# Altium PCB V5+_CORE_RC02.PcbDoc (part 1 of 3) (continued)
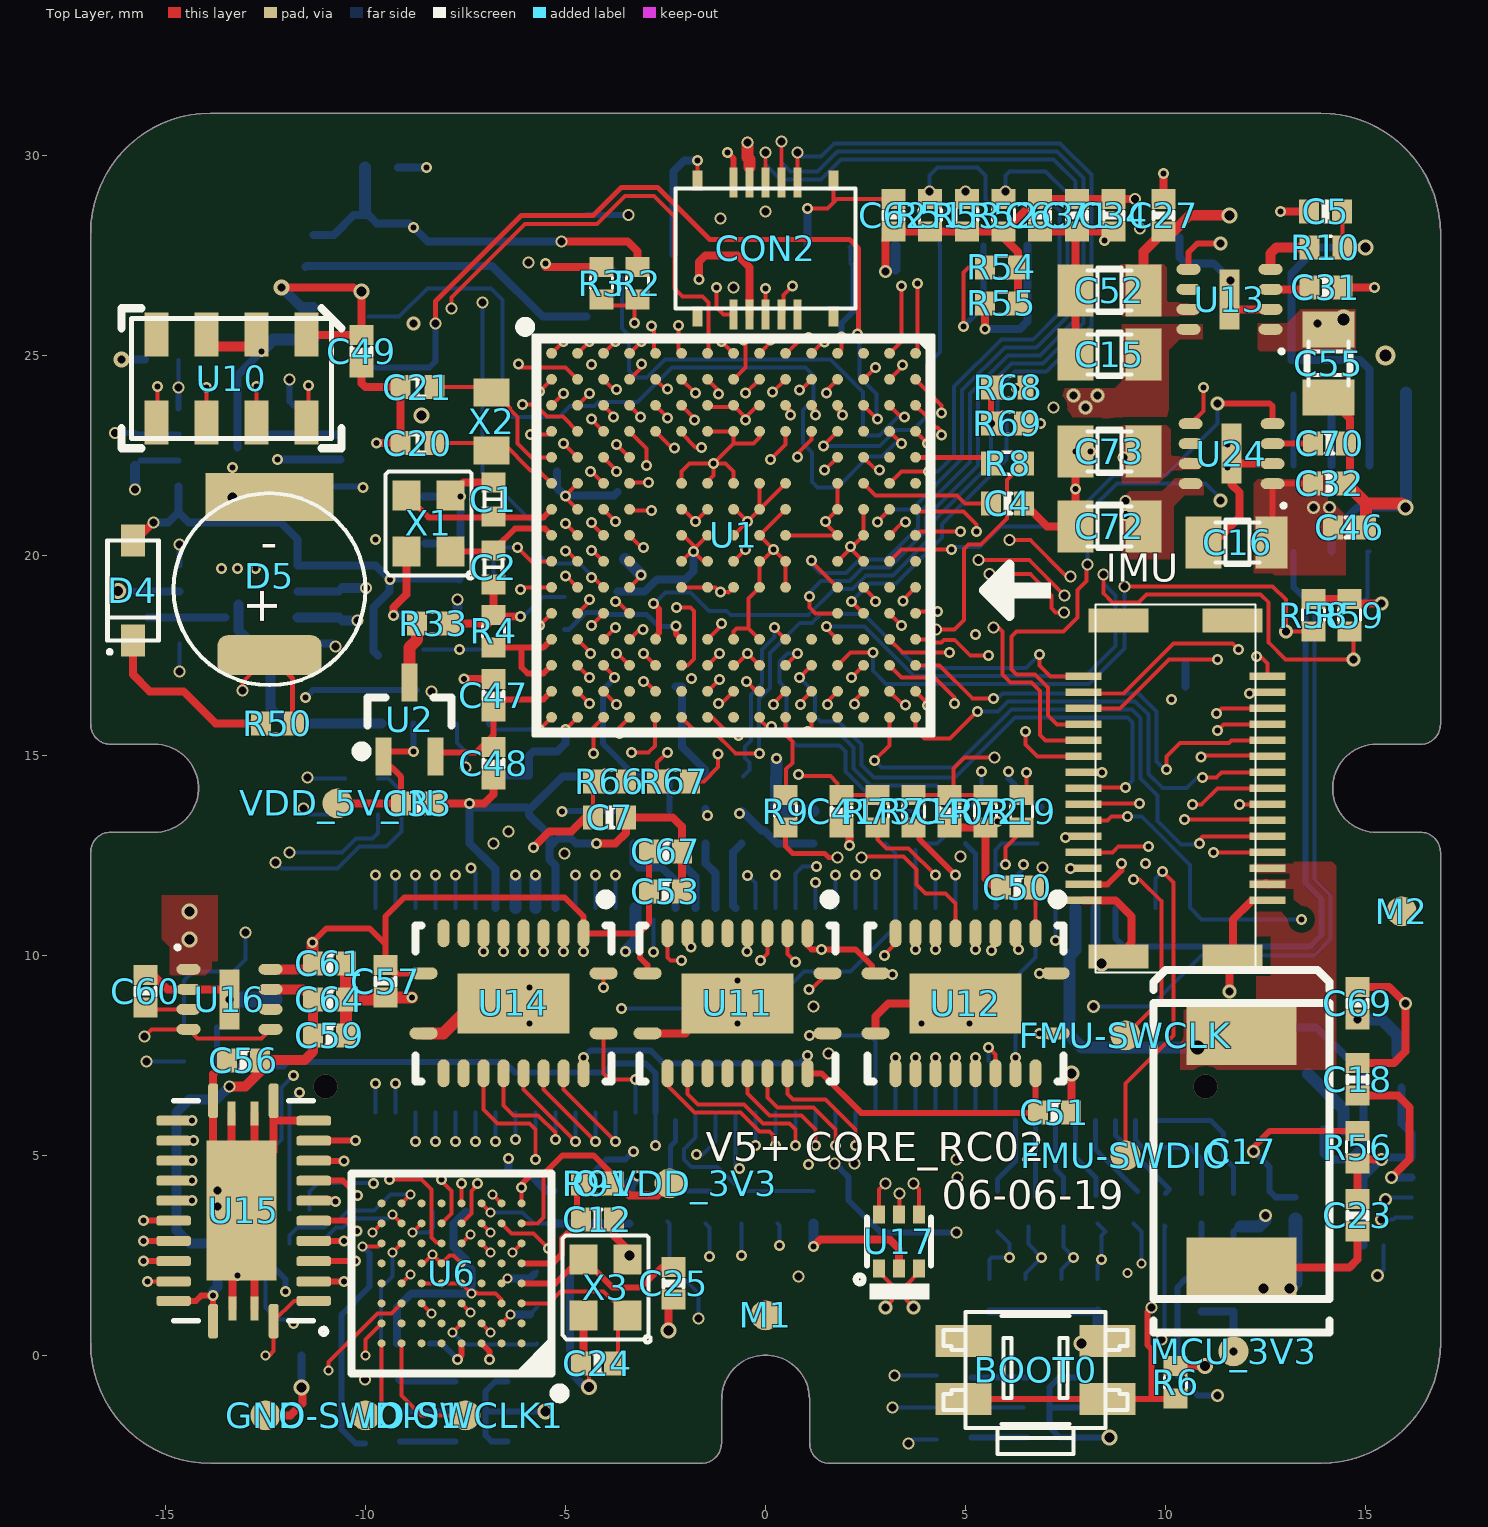
[diagram p0: Top Layer view]
## Footprints (in the part's own frame and the unit in brackets; to place one, negate y for a bottom-side part, rotate by r counter-clockwise, add the part's x,y. Pads: shape width x height; smd on the part's side, far side on the other; paste and mask are expansions set on the pad) (continued)
CUAV [mm]
DF17(1.0H)-80DP-0.5V(57) [mm] "DF17(1.0H)-80DP-0.5V(57)"
  rect 0.225x1.2 smd: 1(-9.746,2.562) 2(-9.246,2.562) 3(-8.746,2.562) 4(-8.246,2.562) 5(-7.746,2.562) 6(-7.246,2.562) 7(-6.746,2.562) 8(-6.246,2.562) 9(-5.746,2.562) 10(-5.246,2.562) 11(-4.746,2.562) 12(-4.246,2.562) 13(-3.746,2.562) 14(-3.246,2.562) 15(-2.746,2.562) 16(-2.246,2.562) 17(-1.746,2.562) 18(-1.246,2.562) 19(-0.746,2.562) 20(-0.246,2.562) 21(0.254,2.562) 22(0.754,2.562) 23(1.254,2.562) 24(1.754,2.562) 25(2.254,2.562) 26(2.754,2.562) 28(3.754,2.562) 29(4.254,2.562) 30(4.754,2.562) 31(5.254,2.562) 32(5.754,2.562) 33(6.254,2.562) 34(6.754,2.562) 35(7.254,2.562) 36(7.754,2.562) 37(8.254,2.562) 38(8.754,2.562) 39(9.254,2.562) 40(9.754,2.562) 41(9.75,-2.555) 42(9.25,-2.555) 43(8.75,-2.555) 44(8.25,-2.555) 45(7.75,-2.555) 46(7.25,-2.555) 47(6.75,-2.555) 48(6.25,-2.555) 49(5.75,-2.555) 50(5.25,-2.555) 51(4.75,-2.555) 52(4.25,-2.555) 53(3.75,-2.555) 54(3.25,-2.555) 55(2.75,-2.555) 56(2.25,-2.555) 57(1.75,-2.555) 58(1.25,-2.555) 59(0.75,-2.555) 60(0.25,-2.555) 61(-0.25,-2.555) 62(-0.75,-2.555) 63(-1.25,-2.555) 64(-1.75,-2.555) 65(-2.25,-2.555) 66(-2.75,-2.575) 67(-3.25,-2.575) 68(-3.75,-2.555) 69(-4.25,-2.555) 70(-4.75,-2.555) 71(-5.25,-2.555) 72(-5.75,-2.555) 73(-6.25,-2.555) 74(-6.75,-2.555) 75(-7.25,-2.555) 76(-7.75,-2.555) 77(-8.25,-2.555) 78(-8.75,-2.555) 79(-9.25,-2.555) 80(-9.75,-2.555)
  rect 0.225x1.25 smd: 27(3.254,2.562)
  rect 1.422x2.108 smd: PAD(-12,0) PAD(12,0)
  silkscreen extent -12.51,-2.4 12.52,2.41, body extent -12.51,-2.88 12.49,2.82, height 3.26
DF18B-30DS-0.4V [mm]
  rect 0.6x1.5 smd: 0(4.2,-1.43) 0(4.2,1.43) 1(-4.2,-1.43) 1(-4.2,1.43)
  rect 0.18x0.9 smd: 1(-2.8,-2.3) 2(-2.4,-2.3) 3(-2,-2.3) 4(-1.6,-2.3) 5(-1.2,-2.3) 6(-0.8,-2.3) 7(-0.4,-2.3) 8(0,-2.3) 9(0.4,-2.3) 10(0.8,-2.3) 11(1.2,-2.3) 12(1.6,-2.3) 13(2,-2.3) 14(2.4,-2.3) 15(2.8,-2.3) 16(2.8,2.3) 17(2.4,2.3) 18(2,2.3) 19(1.6,2.3) 20(1.2,2.3) 21(0.8,2.3) 22(0.4,2.3) 23(0,2.3) 24(-0.4,2.3) 25(-0.8,2.3) 26(-1.2,2.3) 27(-1.6,2.3) 28(-2,2.3) 29(-2.4,2.3) 30(-2.8,2.3)
  silkscreen extent -4.6,-2 4.6,2, body extent -4.6,-2.5 4.6,2.5, height 1.45
EVQ-P7J01P [mm]
  rect 1.4x0.8 smd: A1(-1.799,0.763) A2(1.801,0.763) B3(-1.799,-0.687) B3(1.801,-0.687)
  silkscreen extent -2.3,-2.06 2.3,1.49, body extent -2.35,-2.05 2.35,1.5, height 1.35
LGA16_4X4 [mm] "QFN, 16-Leads, Body 3.00x3.00mm, Pitch 0.50mm, IPC Medium Density"
  oval 0.6x0.25 smd: 1(-1.45,0.75) 2(-1.45,0.25) 3(-1.45,-0.25) 4(-1.45,-0.75) 9(1.45,-0.75) 10(1.45,-0.25) 11(1.45,0.25) 12(1.45,0.75)
  oval 0.25x0.6 smd: 5(-0.75,-1.45) 6(-0.25,-1.45) 7(0.25,-1.45) 8(0.75,-1.45) 13(0.75,1.45) 14(0.25,1.45) 15(-0.25,1.45) 16(-0.75,1.45)
  silkscreen extent -2.02,-1.65 1.65,2.02, body extent -1.6,-1.6 1.6,1.6, height 1
MARK#1 [mm]
  round 0.75 smd: 1(0,0)
MARK#2 [mm]
  round 1 smd: 1(0,0)
MARK#3 [mm]
  round 1 smd: 1(0.2,-0.7)
MLF8 [mm] "QFN, 8-Leads, Body 2.00x2.00mm, Pitch 0.50mm, Thermal Pad 0.50x1.00mm, IPC Medium Density"
  oval 0.6x0.275 smd: 1(-1.025,0.75) 2(-1.025,0.25) 3(-1.025,-0.25) 4(-1.025,-0.75) 5(1.025,-0.75) 6(1.025,-0.25) 7(1.025,0.25) 8(1.025,0.75)
  rect 0.5x1.5 smd: 2(0,0)
  silkscreen extent -1.35,1.25 -1.25,1.35, body extent -1.05,-1 1.05,1, height 0.85
ms5611 [mm]
  rect 0.6x1.1 smd: 1(1.925,1.125) 2(0.675,1.125) 3(-0.575,1.125) 4(-1.825,1.125) 5(-1.825,-1.075) 6(-0.575,-1.075) 7(0.675,-1.075) 8(1.925,-1.075)
  silkscreen extent -2.7,-1.73 2.8,1.77, body extent -2.47,-1.53 2.53,1.47, height 1
PAS414R-S-VE5R [mm]
  rrect50% 2.6x1 smd: 1(-0.1,-1.799)
  rect 3.2x1.2 smd: 2(-0.1,2.151)
  silkscreen extent -2.5,-2.55 2.3,2.25
QFN8_0.65#1 [mm]
  oval 0.65x0.3 smd: 1(-1.475,0.975) 2(-1.475,0.325) 3(-1.475,-0.325) 4(-1.475,-0.975) 5(1.475,-0.975) 6(1.475,-0.325) 7(1.475,0.325) 8(1.475,0.975)
  rect 1.25x2.1 smd: 2(0,0)
  silkscreen extent -2.23,-1.65 1.65,1.72, body extent -1.6,-1.5 1.6,1.5, height 0.63
QFN8_0.65#2 [mm]
  oval 0.65x0.3 smd: 1(-1.475,0.975) 2(-1.475,0.325) 3(-1.475,-0.325) 4(-1.475,-0.975) 5(1.475,-0.975) 6(1.475,-0.325) 7(1.475,0.325) 8(1.475,0.975)
  rect 1.25x2.3 smd: 2(0,0)
  silkscreen extent -2.22,-1.65 1.65,1.72, body extent -1.6,-1.5 1.6,1.5, height 0.63
QFN24-RGY [mm]
  rrect50% 0.864x0.25 smd mask+0.07: 1(-2.647,-0.804) 12(2.864,-0.804) 13(2.864,0.708) 24(-2.647,0.708)
  rrect50% 0.25x0.864 smd mask+0.07: 2(-2.139,-1.804) 3(-1.656,-1.804) 4(-1.148,-1.804) 5(-0.64,-1.804) 6(-0.136,-1.804) 7(0.364,-1.804) 8(0.864,-1.804) 9(1.364,-1.804) 10(1.864,-1.804) 11(2.364,-1.804) 14(2.364,1.699) 15(1.864,1.699) 16(1.364,1.699) 17(0.864,1.699) 18(0.364,1.699) 19(-0.136,1.699) 20(-0.64,1.699) 21(-1.148,1.699) 22(-1.656,1.699) 23(-2.139,1.699)
  rect 0.6x0.2 smd mask+0.07: 22(-2.325,-0.325) 22(-2.325,0.225) 22(2.55,-0.325) 22(2.55,0.25)
  rect 3.5x1.75 smd mask+0.07: 22(0.125,0)
  silkscreen extent -2.98,-2.13 2.86,1.7, body extent -2.65,-1.8 2.87,1.72, height 1
R0402#1 [mm]
  rect 0.5x0.6 smd: 1(-0.41,0) 2(0.41,0)
  silkscreen extent -0.13,-0.27 0.14,0.28, body extent -0.5,-0.25 0.5,0.25, height 0.3
R0402#2 [mm]
  rect 0.5x0.6 smd: 1(-0.41,0)
  rect 0.4x0.6 smd: 2(0.452,0)
  silkscreen extent -0.13,-0.27 0.14,0.28, body extent -0.5,-0.25 0.5,0.25, height 0.3
SC70 [mm]
  rect 0.95x0.4 smd: 1(-0.925,0.65) 2(-0.925,-0.65) 3(0.925,0)
  silkscreen extent -0.92,-1.05 0.55,1.32, body extent -1.15,-1.05 1.15,1.05, height 1.1
SC0402 [mm]
  rect 0.5x0.6 smd: 1(-0.425,-0.004) 2(0.425,-0.004)
  silkscreen extent -0.17,-0.23 0.18,0.23, body extent -0.5,-0.25 0.5,0.25, height 0.5
SO-8 [mm] "SOIC, 8-Leads, Body 4.90x4.00mm, Pitch 1.27mm, IPC Medium Density"
  rrect50% 1.25x0.6 smd: 1(-2.725,1.905) 2(-2.725,0.635) 3(-2.725,-0.635) 4(-2.725,-1.905) 5(2.725,-1.905) 6(2.725,-0.635) 7(2.725,0.635) 8(2.725,1.905)
  silkscreen extent -2.85,-2.5 1.6,2.93, body extent -3,-2.5 3,2.5, height 1.75
SOD323 [mm]
  rect 0.6x0.8 smd: A(-0.217,1.264) K(-0.217,-1.236)
  silkscreen extent -0.87,-1.56 0.43,1.26, body extent -0.87,-1.28 0.48,1.32, height 1.1
SOT563-6 [mm]
  rect 0.45x0.3 smd: 1(-0.635,0.459) 2(-0.635,-0.041) 3(-0.635,-0.541) 4(0.715,-0.541) 5(0.715,-0.041) 6(0.715,0.459)
  silkscreen extent -1,-0.84 0.64,1.05, body extent -0.76,-0.85 0.86,0.75, height 0.58
SOT-23-6 [mm] "SOT-23/SC-74A; 5 Leads; Body 3.1 x 3 mm, inc. leads (LxW max)"
  rect 0.55x1.45 smd: 1(0.95,1.075) 2(0,1.075) 3(-0.95,1.075) 4(-0.95,-1.075) 5(0,-1.075) 6(0.95,-1.075)
  silkscreen extent -1.55,-0.9 1.73,1.88, body extent -1.4,-1.19 1.4,1.23, height 1.08
TFBGA64 [mm] "BGA, 0-Leads, Body 5.00x5.00mmx0.60mm, Pitch 0.50mm"
  round 0.2 smd: A1(-1.75,1.75) A2(-1.25,1.75) A3(-0.75,1.75) A4(-0.25,1.75) A5(0.25,1.75) A6(0.75,1.75) A7(1.25,1.75) A8(1.75,1.75) B1(-1.75,1.25) B2(-1.25,1.25) B3(-0.75,1.25) B4(-0.25,1.25) B5(0.25,1.25) B6(0.75,1.25) B7(1.25,1.25) B8(1.75,1.25) C1(-1.75,0.75) C2(-1.25,0.75) C3(-0.75,0.75) C4(-0.25,0.75) C5(0.25,0.75) C6(0.75,0.75) C7(1.25,0.75) C8(1.75,0.75) D1(-1.75,0.25) D2(-1.25,0.25) D3(-0.75,0.25) D4(-0.25,0.25) D5(0.25,0.25) D6(0.75,0.25) D7(1.25,0.25) D8(1.75,0.25) E1(-1.75,-0.25) E2(-1.25,-0.25) E3(-0.75,-0.25) E4(-0.25,-0.25) E5(0.25,-0.25) E6(0.75,-0.25) E7(1.25,-0.25) E8(1.75,-0.25) F1(-1.75,-0.75) F2(-1.25,-0.75) F3(-0.75,-0.75) F4(-0.25,-0.75) F5(0.25,-0.75) F6(0.75,-0.75) F7(1.25,-0.75) F8(1.75,-0.75) G1(-1.75,-1.25) G2(-1.25,-1.25) G3(-0.75,-1.25) G4(-0.25,-1.25) G5(0.25,-1.25) G6(0.75,-1.25) G7(1.25,-1.25) G8(1.75,-1.25) H1(-1.75,-1.75) H2(-1.25,-1.75) H3(-0.75,-1.75) H4(-0.25,-1.75) H5(0.25,-1.75) H6(0.75,-1.75) H7(1.25,-1.75) H8(1.75,-1.75)
  silkscreen extent -2.83,-2.5 2.5,3.12, body extent -2.5,-2.5 2.5,2.5, height 0.6
TP0.75 [mm]
  round 0.75 smd: 0(0,0)
UFBGA176 [mm]
  round 0.27 smd: A1(-4.55,4.55) A2(-3.9,4.55) A3(-3.25,4.55) A4(-2.6,4.55) A5(-1.95,4.55) A6(-1.3,4.55) A7(-0.65,4.55) A8(0,4.55) A9(0.65,4.55) A10(1.3,4.55) A11(1.95,4.55) A12(2.6,4.55) A13(3.25,4.55) A14(3.9,4.55) A15(4.55,4.55) B1(-4.55,3.9) B2(-3.9,3.9) B3(-3.25,3.9) B4(-2.6,3.9) B5(-1.95,3.9) B6(-1.3,3.9) B7(-0.65,3.9) B8(0,3.9) B9(0.65,3.9) B10(1.3,3.9) B11(1.95,3.9) B12(2.6,3.9) B13(3.25,3.9) B14(3.9,3.9) B15(4.55,3.9) C1(-4.55,3.25) C2(-3.9,3.25) C3(-3.25,3.25) C4(-2.6,3.25) C5(-1.95,3.25) C6(-1.3,3.25) C7(-0.65,3.25) C8(0,3.25) C9(0.65,3.25) C10(1.3,3.25) C11(1.95,3.25) C12(2.6,3.25) C13(3.25,3.25) C14(3.9,3.25) C15(4.55,3.25) D1(-4.55,2.6) D2(-3.9,2.6) D3(-3.25,2.6) D4(-2.6,2.6) D5(-1.95,2.6) D6(-1.3,2.6) D7(-0.65,2.6) D8(0,2.6) D9(0.65,2.6) D10(1.3,2.6) D11(1.95,2.6) D12(2.6,2.6) D13(3.25,2.6) D14(3.9,2.6) D15(4.55,2.6) E1(-4.55,1.95) E2(-3.9,1.95) E3(-3.25,1.95) E4(-2.6,1.95) E12(2.6,1.95) E13(3.25,1.95) E14(3.9,1.95) E15(4.55,1.95) F1(-4.55,1.3) F2(-3.9,1.3) F3(-3.25,1.3) F4(-2.6,1.3) F6(-1.3,1.3) F7(-0.65,1.3) F8(0,1.3) F9(0.65,1.3) F10(1.3,1.3) F12(2.6,1.3) F13(3.25,1.3) F14(3.9,1.3) F15(4.55,1.3) G1(-4.55,0.65) G2(-3.9,0.65) G3(-3.25,0.65) G4(-2.6,0.65) G6(-1.3,0.65) G7(-0.65,0.65) G8(0,0.65) G9(0.65,0.65) G10(1.3,0.65) G12(2.6,0.65) G13(3.25,0.65) G14(3.9,0.65) G15(4.55,0.65) H1(-4.55,0) H2(-3.9,0) H3(-3.25,0) H4(-2.6,0) H6(-1.3,0) H7(-0.65,0) H8(0,0) H9(0.65,0) H10(1.3,0) H12(2.6,0) H13(3.25,0) H14(3.9,0) H15(4.55,0) J1(-4.55,-0.65) J2(-3.9,-0.65) J3(-3.25,-0.65) J4(-2.6,-0.65) J6(-1.3,-0.65) J7(-0.65,-0.65) J8(0,-0.65) J9(0.65,-0.65) J10(1.3,-0.65) J12(2.6,-0.65) J13(3.25,-0.65) J14(3.9,-0.65) J15(4.55,-0.65) K1(-4.55,-1.3) K2(-3.9,-1.3) K3(-3.25,-1.3) K4(-2.6,-1.3) K6(-1.3,-1.3) K7(-0.65,-1.3) K8(0,-1.3) K9(0.65,-1.3) K10(1.3,-1.3) K12(2.6,-1.3) K13(3.25,-1.3) K14(3.9,-1.3) K15(4.55,-1.3) L1(-4.55,-1.95) L2(-3.9,-1.95) L3(-3.25,-1.95) L4(-2.6,-1.95) L12(2.6,-1.95) L13(3.25,-1.95) L14(3.9,-1.95) L15(4.55,-1.95) M1(-4.55,-2.6) M2(-3.9,-2.6) M3(-3.25,-2.6) M4(-2.6,-2.6) M5(-1.95,-2.6) M6(-1.3,-2.6) M7(-0.65,-2.6) M8(0,-2.6) M9(0.65,-2.6) M10(1.3,-2.6) M11(1.95,-2.6) M12(2.6,-2.6) M13(3.25,-2.6) M14(3.9,-2.6) M15(4.55,-2.6) N1(-4.55,-3.25) N2(-3.9,-3.25) N3(-3.25,-3.25) N4(-2.6,-3.25) N5(-1.95,-3.25) N6(-1.3,-3.25) N7(-0.65,-3.25) N8(0,-3.25) N9(0.65,-3.25) N10(1.3,-3.25) N11(1.95,-3.25) N12(2.6,-3.25) N13(3.25,-3.25) N14(3.9,-3.25) N15(4.55,-3.25) P1(-4.55,-3.9) P2(-3.9,-3.9) P3(-3.25,-3.9) P4(-2.6,-3.9) P5(-1.95,-3.9) P6(-1.3,-3.9) P7(-0.65,-3.9) P8(0,-3.9) P9(0.65,-3.9) P10(1.3,-3.9) P11(1.95,-3.9) P12(2.6,-3.9) P13(3.25,-3.9) P14(3.9,-3.9) P15(4.55,-3.9) R1(-4.55,-4.55) R2(-3.9,-4.55) R3(-3.25,-4.55) R4(-2.6,-4.55) R5(-1.95,-4.55) R6(-1.3,-4.55) R7(-0.65,-4.55) R8(0,-4.55) R9(0.65,-4.55) R10(1.3,-4.55) R11(1.95,-4.55) R12(2.6,-4.55) R13(3.25,-4.55) R14(3.9,-4.55) R15(4.55,-4.55)
  silkscreen extent -5.33,-5 5,5.33, body extent -5,-5 5,5, height 0.6
VQFN20 [mm]
  oval 0.3x0.7 smd: 1(-0.75,2.25) 10(-0.75,-2.25) 11(0.75,-2.25) 20(0.75,2.25)
  oval 0.7x0.3 smd: 2(-1.75,1.75) 3(-1.75,1.25) 4(-1.75,0.75) 5(-1.75,0.25) 6(-1.75,-0.25) 7(-1.75,-0.75) 8(-1.75,-1.25) 9(-1.75,-1.75) 12(1.75,-1.75) 13(1.75,-1.25) 14(1.75,-0.75) 15(1.75,-0.25) 16(1.75,0.25) 17(1.75,0.75) 18(1.75,1.25) 19(1.75,1.75)
  rect 1.5x2.8 smd: 21(0,0)
  silkscreen extent -2.72,-2.45 1.95,2.45, body extent -1.9,-2.4 1.9,2.4, height 1

## Part data
C1: library part C, "0402 8PF NPO"
C2: library part C
C3 C4 C62: "0402 2.2UF 25V 10%"
C5 C6 C7 C8 C9 C10 C11 C12 C13 C18 C23 C26 C27 C29 C35 C36 C37 C38 C39 C40 C41 C42 C44 C45 C54 C65 C66: "50V 5%"
C14 C52: library part Cap, "0805 47uf 16v"
C15 C16 C55 C72 C73: library part Cap, "0805 47UF 16V"
C17: library part "Cap Pol1", "T520V476M016ATE"
C19: library part Cap, "0603 4.7UF 16V 10%"
C20: library part C, "0402 50V 5%"
C21: library part C, "0402 50V 5%  NPO"
C22: library part C1005X5R1H104K, "0402 100NF 50V 10%"
C24 C25 C28 C43: library part 0402C100NF, "50V 5%"
C30 C31 C32 C33 C34 C57 C58 C59 C60 C69 C70 C71: library part Cap, "0402 100NF 50V 10%"
C46 C48: library part 0402C2.2UF, "0402 100NF 50V 10%"
C47: "0402 2.2UF  16V 10%"
C49: "0402 100NF 10% 50V"
C50 C51 C53 C56 C67: library part Cap, "0402 100nf 50V 10%"
C61 C64: library part Cap
C63: "0402 100NF 50V 5%"
D4: library part STPS20M100SG-TR, "STPS20M100SG-TR"
D5: library part PWR1-2_1
FMU-SWCLK FMU-SWDIO GND IO-SWCLK1 IO-SWDIO1 IO-VDD_3V3 VDD_5V_IN: "TP_0.75MM"
L1: library part L_0
MCU_3V3: library part TP_0.75, "TP_0.75MM"
R1 R18: library part 0402R4.7K, "0402R4.7K 1%"
R2 R7 R33: library part 0402R0R, "0402R0R 1%"
R3 R5 R6: library part 0402R0R, "0402R10K 1%"
R4: "0402R0R 1%"
R8 R56 R80 R83 R90 R91: library part 0402R1K, "0402R10K 1%"
R9 R89: library part 0402R1K, "0402R100R 1%"
R10: library part 0402R10K, "0402R10K 1%"
R11 R12 R17: library part Res2, "0402 220R 1%"
R13 R14 R63 R64: library part 0402R10K, "0402R2M 1%"
R15 R16 R24 R25 R26 R28 R29 R30 R37 R39 R43 R44 R47 R48 R58 R59: library part 0402R10K, "0402R2.2K 1%"
R19 R81 R82 R84: library part 0402R1K, "0402R220R 1%"
R20 R21 R22 R23: "0402R1K 1%"
R27 R65: library part 0402R100R, "0402R100R 1%"
R31 R32: library part Res2, "0402R100K 1%"
R34 R35 R36 R78: library part 0402R100R, "0402R10K 1%"
R38 R49 R99: library part Res2, "0402 1K 1%"
R40 R41 R42: library part 0402R100R, "0402 1K 1%"
R45 R46: library part Res2, "0402 100K 1%"
R50: library part R, "0402 220R 1%"
R51 R52 R53 R54 R55: library part RC0402FR-0749R9L
R66: library part Res2, "0402R442K 1%"
R67 R68 R69: library part Res2
R70 R93: library part Res2, "0402 10K 1%"
R71: library part Res2, "0402R10.K 1%"
R72 R73: library part Res2, "0402R10K 1%"
R75: library part RMCF0402FT4K99, "0402 10K 1%"
R76: library part "Res Semi", "0402 50K 1%"
R92: library part Res2, "0402 20K 1%"
R95 R96 R97: library part 0402R1K, "0402R1K 1%"
U2: library part REF3333AIDCKT
U3: library part Component_1
U13 U16 U24: library part MIC5530
X1: library part X_B, "16M 8PF 10PPM 8PF"
X2: library part X_0
X3: library part NX3225SA-24.000MHZ-STD-CSR-1, "XRCGB24M000F3A00R0  6PF"

## Free pads (board coordinates)
  round 4 on Bottom Overlay: 0(-14.25,-0.075) 0(-14.25,28.425) 0(14.25,-0.075) 0(14.25,28.425)

## Via types
v1: diameter 0.275, hole 0.15, Top Layer to Bottom Layer, tented both sides, 374 vias
v2: diameter 0.3, hole 0.2, Top Layer to Bottom Layer, tented both sides, 85 vias
v3: diameter 0.25, hole 0.15, Top Layer to Bottom Layer, tented both sides, 26 vias
v4: diameter 0.325, hole 0.2, Top Layer to Bottom Layer, tented both sides, 15 vias
v5: diameter 0.35, hole 0.2, Top Layer to Bottom Layer, tented both sides, 15 vias
v6: diameter 0.4, hole 0.25, Top Layer to Bottom Layer, tented both sides, 14 vias
v7: diameter 0.4, hole 0.25, Top Layer to Bottom Layer, tented bottom, 7 vias
v8: diameter 0.4, hole 0.2, Top Layer to Bottom Layer, tented both sides, 2 vias
v9: diameter 0.5, hole 0.3, Top Layer to Bottom Layer, tented both sides, 2 vias
v10: diameter 0.6, hole 0.6, Top Layer to Bottom Layer, tented both sides, 2 vias
v11: diameter 0.55, hole 0.35, Top Layer to Bottom Layer, tented both sides, 1 vias

## Nets (pads, with @x,y where several pads share a name; then routed paths per layer and width w, separated by ;. In a path a pad name is that pad's centre, name@x,y a point inside that pad or via, vN(x,y) a via of type N, cw(c..) or ccw(c..) an arc to the next point about the centre after c; other vN are vias at no path point)
ADC1_SPARE_1: C41.1 R73.1 U1.N5 | length 9.3
  Top Layer w0.1: v1(-3.05,17.55) U1.N5@-2.75,17.25 ; v1@0.827,14.479 1.62,14.479 1.8,14.3 1.8,14.11 C41.1@1.9,14.01 R73.1@2.8,14.01
  S1 w0.1: v1(-3.05,17.55) -2.5,17.55 -2.388,17.437 -2.388,15.904 -2.088,15.604 -2.088,14.979 -1.333,14.225 0.525,14.225 0.822,14.522 v1(0.827,14.522)
ADC1_SPARE_1_3.3V: CON1.12 R73.2 | length 2.8
  Top Layer w0.1: R73.2@2.8,13.19 2.8,12.9 3.025,12.675 3.578,12.675 v1(4.246,12.007)
  Bottom Layer w0.1: CON1.12@4.246,11.186 v1@4.246,11.907
ADC1_SPARE_2: C40.1 R71.1 R72.2 U1.N4 | length 15.4
  Top Layer w0.1: v1@-3.7,17.55 U1.N4@-3.4,17.25 ; R71.1@3.8,14.01 C40.1@4.7,14.01 ; R72.2@5.6,14.01 C40.1@4.7,14.01 ; v2(5.725,14.95) 4.975,14.95 4.7,14.675 C40.1@4.7,14.01
  POWER w0.1: v1(-3.725,17.55) -3.388,17.212 -2.912,17.212 -2.4,16.7 -2.117,16.7 -1.513,16.096 -1.513,15.844 -0.832,15.163 -0.832,15.019 -0.55,14.737 -0.315,14.737 -0.103,14.525 0.352,14.525 0.612,14.785 0.827,15 1.6,15 1.925,15.325 5.35,15.325 v2(5.725,14.95)
ADC1_SPARE_2_6.6V: CON1.11 R71.2 | length 2.1
  Top Layer w0.15: R71.2@3.85,13.05 3.85,12.903 v1(4.746,12.007)
  Bottom Layer w0.1: CON1.11@4.746,11.186 v1@4.746,11.907
AVDD: C13.2 R7.1 U1.R1 | length 2.4
  Top Layer w0.1: v1(-5.65,15.65) U1.R1@-5.35,15.95
  Bottom Layer w0.1: R7.1@-6.74,15.65 v1(-5.65,15.65)
  Bottom Layer w0.2: R7.1@-6.89,15.8 C13.2@-6.89,16.7
BAT1_I: C37.2 R13.1 R23.2 U1.N2 | length 7.2
  Top Layer w0.1: U1.N2@-4.7,17.25 v1(-4.4,16.95)
  S1 w0.2: v1(-5.09,13.6) -5.09,14.04 -6.05,15 -6.05,16.325 -5.425,16.95 v1(-4.4,16.95)
  Bottom Layer w0.15: v1(-5.09,13.6) -5.08,13.61 R13.1@-4.2,13.61 R23.2@-3.3,13.61
BAT1_I_IN: CON1.25 R23.1 | length 2.4
  Bottom Layer w0.2: R23.1@-3.3,12.79 -3.3,12.325 -3.175,12.2 -2.6,12.2 -2.254,11.853 CON1.25@-2.254,11.186
BAT1_V: C35.2 R14.1 R21.2 U1.N3 | length 5
  Top Layer w0.1: U1.N3@-4.05,17.25 v1@-3.75,16.95
  Bottom Layer w0.15: v1@-3.75,16.95 -4.063,16.637 -4.063,15.29 -3.265,14.492 C35.2@-3.265,14.475 ; C35.2@-3.19,14.5 -2.49,14.5 -2.4,14.41 R21.2@-2.4,13.61
  other v1: -3.775,16.95
BAT1_V_IN: CON1.24 R21.1 | length 1.9
  Bottom Layer w0.2: R21.1@-2.4,12.79 -2.4,12.6 -1.754,11.953 CON1.24@-1.754,11.186
BAT2_I: C36.2 R22.2 R63.1 U1.R2 | length 8.3
  Top Layer w0.1: v1(-5,15.65) U1.R2@-4.7,15.95
  S1 w0.2: v1(-5,15.65) -5,14.825 -3.925,13.75 -1.55,13.75 -1.45,13.65 v1(-1.45,13.5)
  Bottom Layer w0.2: C36.2@-6.8,14.51 -6.79,14.5 R63.1@-5.91,14.5 -5.91,14.99 -5.8,15.1 -5.2,15.1 -5,15.3 v1(-5,15.65) ; R22.2@-1.5,13.61 R22.2@-1.5,13.657
BAT2_I_IN: CON1.23 R22.1 | length 1.7
  Bottom Layer w0.2: R22.1@-1.5,12.79 -1.5,12.3 -1.254,12.053 CON1.23@-1.254,11.186
BAT2_V: C29.2 R20.2 R64.1 U1.P2 | length 8.7
  Top Layer w0.1: U1.P2@-4.7,16.6 v1(-4.4,16.3)
  S1 w0.1: v1(-4.4,16.3) -4.663,16.037 -4.663,14.916 -3.747,14 -1.05,14 -0.65,13.6 v1(-0.65,13.55)
  Bottom Layer w0.2: v1(-0.65,13.55) -0.65,13.56 R20.2@-0.6,13.61 -0.588,13.61 -0.1,13.122 -0.033,13.122 C29.2@0.3,12.79 R64.1@1.2,12.79
BAT2_V_IN: CON1.22 R20.1 | length 1.7
  Bottom Layer w0.2: CON1.22@-0.754,11.186 -0.813,11.245 -0.813,12.577 R20.1@-0.6,12.79
BOOT0: BOOT0.B3 R6.2 U1.D6 | length 55.8
  Top Layer w0.1: U1.D6@-2.1,23.1 -2.1,23.052 -1.748,22.7 v1(-1.6,22.7)
  Top Layer w0.15: BOOT0.B3@4.95,-1.088 BOOT0.B3@8.55,-1.088 9.65,-1.088 R6.2@10.247,-1.088 ; 9.65,-1.087 9.65,0.155 9.55,0.255 9.55,1.1 v2(9.65,1.2)
  S1 w0.1: v2(-0.8,26.7) -0.8,26.851 -0.352,27.3 1.834,27.3 2.409,27.875 6.617,27.875 7.267,27.225 9.452,27.225 11.34,25.337 11.707,25.337 12.938,24.107 12.938,19.281 13.838,18.381 13.838,15.831 13.388,15.381 13.388,11.372 11.915,9.9 10.334,9.9 9.888,9.453 9.888,2.838 10.125,2.6 10.125,2 ; v2@9.697,1.125 9.797,1.225 9.797,1.581 10.125,1.909 10.125,1.999
  S2 w0.1: v1(-1.6,22.7) -1.5,22.8 -0.599,22.8 -0.163,23.236 -0.163,25.186 -0.213,25.236 -0.213,26.112 v2(-0.8,26.7)
BOOT1: R70.1 U1.M6 | length 3.6
  Top Layer w0.15: v1(-2.242,18.237) -2.242,18.041 U1.M6@-2.1,17.9
  Bottom Layer w0.125: R70.1@-5.025,18.14 -4.92,18.14 -4.485,18.575 -4.216,18.575 -4.166,18.525 -2.985,18.525 -2.935,18.475 -2.928,18.475 -2.675,18.222 -2.352,18.222 -2.304,18.175 v1(-2.242,18.237) v1@-2.238,18.237
BUZZER_1: CON1.8 U1.B2 | length 34.1
  Top Layer w0.1: v1@-6.1,24.7 -5,24.7 U1.B2@-4.7,24.4
  S1 w0.1: v1(-6.176,24.776) -6.176,27.074 v2(-5.925,27.325) ; v1(6.45,12.275) 6.45,12.95 7.7,14.2 7.7,17.843 7.267,18.276 7.05,18.493 7.05,20.823 6.37,21.503 6.37,22.237 7.225,23.092 v2@7.225,23.7
  S2 w0.1: v2(-5.925,27.325) -5.925,27.825 -5.55,28.2 -4.955,28.2 -4.787,28.031 1.452,28.031 3.487,25.996 3.487,25.596 5.246,23.837 6.563,23.837 6.7,23.7 v2(7.2,23.7)
  Bottom Layer w0.1: CON1.8@6.246,11.186 6.246,11.971 6.45,12.175 v1(6.45,12.275)
CAD1: R56.2 U4.6 | length 4.7
  Top Layer w0.154: v4(12.2,5.1) 12.2,5.2 12.61,5.61 R56.2@14.8,5.61
  Bottom Layer w0.154: v4(12.2,5.1) 12.6,4.7 12.6,4.1 12.75,3.95 U4.6@13.25,3.95
CAN1_RX: U1.D3 U8.4 | length 8.5
  Top Layer w0.1: v1(-4.351,23.401) U1.D3@-4.05,23.1
  S2 w0.1: v1(-10.063,21.7) -10.038,21.725 -8.416,21.725 -8.363,21.778 -8.363,21.78 -7.568,22.575 -5.766,22.575 -4.94,23.401 v1(-4.351,23.401)
  Bottom Layer w0.1: v1@-10.088,21.725 v1(-10.063,21.7)
  Bottom Layer w0.15: U8.4@-11.725,21.725 v1@-10.088,21.725
CAN1_TX: U1.E12 U8.1 | length 21.7
  Top Layer w0.1: v1(1.475,22.126) U1.E12@1.8,22.45
  S2 w0.1: v2(-11.9,24.4) -11.875,24.4 -11.45,24.825 -7.508,24.825 -6.033,26.3 -4.208,26.3 -3.277,27.231 1.121,27.231 2.65,25.702 2.65,25.36 2.212,24.922 2.212,24.477 2.262,24.427 2.262,22.913 v1(1.475,22.126)
  Bottom Layer w0.1: U8.1@-11.8,23.75 U8.1@-11.725,23.675
  Bottom Layer w0.15: v2(-11.9,24.4) -11.9,23.849 U8.1@-11.8,23.75
CAN2_RX/UART5_RX_ESC: U1.P12 U9.4 | length 36.7
  Top Layer w0.1: v1@1.5,16.3 U1.P12@1.8,16.6
  S2 w0.1: v2(-14.65,20.275) -14.75,20.375 -14.75,22.807 -15.538,23.595 -15.538,24.445 -14.383,25.6 -11.583,25.6 -11.007,25.025 -7.591,25.025 -6.116,26.5 -4.291,26.5 -3.36,27.431 1.203,27.431 2.85,25.785 2.85,25.277 2.412,24.839 2.412,24.56 2.462,24.51 2.462,22.787 1.985,22.31 1.985,20.845 1.575,20.435 1.575,18.652 1.987,18.239 1.987,17.911 1.55,17.473 v1(1.55,16.275)
  Bottom Layer w0.15: U9.4@-14.65,19.75 v2(-14.65,20.275)
CAN2_TX/UART5_TX_ESC: U1.P13 U9.1 | length 41.2
  Top Layer w0.1: v1(2.225,16.287) 2.212,16.287 2.175,16.325 U1.P13@2.45,16.6
  S2 w0.1: v2(-14.65,17.1) -14.65,19.419 -15,19.769 -15,20.42 -14.95,20.47 -14.95,22.725 -15.738,23.512 -15.738,24.528 -14.466,25.8 -11.5,25.8 -10.925,25.225 -7.674,25.225 -6.199,26.7 -4.374,26.7 -3.443,27.631 1.286,27.631 3.087,25.83 3.087,23.591 3.137,23.541 3.137,23.015 2.827,22.704 2.662,22.704 2.185,22.227 2.185,20.762 1.775,20.352 1.775,18.735 2.187,18.322 2.187,17.828 1.75,17.39 1.75,16.65 2.112,16.287 v1(2.225,16.287)
  Bottom Layer w0.1: v2(-14.65,17.1) U9.1@-14.65,17.8
CAN3_RX: U1.F15
CAN3_TX: U1.A13
CAN_H_1: CON1.19 R45.1 U8.7 | length 33.4
  S1 w0.1: v2(-16.268,23.057) -15.558,23.057 -15.4,22.9 -15.4,21.492 -15.8,21.092 -15.8,20.582 -15,19.782 -15,18.082 -14.593,17.675 -11.5,17.675 -10.825,17 -10.825,13.532 -11.35,13.008 -11.35,11.429 -10.391,10.469 -7.966,10.469 -7.366,11.069 -3.648,11.069 -3.293,11.425 0.141,11.425 0.942,12.225 v1(1.275,12.225)
  Bottom Layer w0.1: CON1.19@0.746,11.186 0.746,12.046 0.925,12.225 v1(1.275,12.225)
  Bottom Layer w0.15: v2(-16.268,23.057) R45.1@-15.761,23.057 ; R45.1@-15.728,23.025 U8.7@-14.675,23.025
CAN_H_2: CON1.21 R46.1 U9.7 | length 20.8
  S1 w0.1: v2(-10.2,18.365) -10,18.165 -10,17.642 -10.425,17.217 -10.425,13.357 -10.95,12.832 -10.95,11.594 -10.225,10.869 -8.131,10.869 -7.531,11.469 -3.814,11.469 -3.459,11.825 -0.626,11.825 v1(-0.45,12)
  Bottom Layer w0.1: v1(-0.45,12) -0.254,11.804 CON1.21@-0.254,11.186
  Bottom Layer w0.25: U9.7@-11.7,18.45 R46.1@-10.66,18.45 ; R46.1@-10.575,18.365 v2(-10.2,18.365)
CAN_L_1: CON1.18 R45.2 U8.6 | length 30.6
  S1 w0.1: v2(-15.761,21.647) -15.761,21.414 -16,21.175 -16,20.5 -15.2,19.7 -15.2,18 -14.675,17.475 -11.583,17.475 -11.025,16.917 -11.025,13.615 -11.55,13.09 -11.55,11.346 -10.474,10.269 -7.883,10.269 -7.283,10.869 -3.566,10.869 -3.227,11.208 0.207,11.208 0.624,11.625 1.05,11.625 v1(1.25,11.825)
  Bottom Layer w0.1: CON1.18@1.246,11.186 1.25,11.19 v1(1.25,11.825)
  Bottom Layer w0.15: R45.2@-15.624,22.375 U8.6@-14.675,22.375
  Bottom Layer w0.25: v2(-15.761,21.647) R45.2@-15.761,22.237
CAN_L_2: CON1.20 R46.2 U9.6 | length 23
  S1 w0.1: v2(-9.985,19.185) -10.55,18.62 -10.55,18.22 -10.35,18.02 -10.35,17.575 -10.625,17.3 -10.625,13.45 -11.15,12.925 -11.15,11.512 -10.308,10.669 -8.048,10.669 -7.448,11.269 -3.731,11.269 -3.376,11.625 -0.159,11.625 0.223,12.007 v1(0.246,12.007)
  Bottom Layer w0.1: CON1.20@0.246,11.186 v1@0.246,11.907
  Bottom Layer w0.2: U9.6@-11.7,19.1 R46.2@-10.66,19.1
  Bottom Layer w0.25: R46.2@-10.575,19.185 v2(-9.985,19.185)
DEBUG_RX: CON1.6 U12.20 | length 3.6
  Top Layer w0.1: v1(6.85,8.05) U12.20@7.25,8.05
  S1 w0.1: v1(6.85,8.05) 7.246,8.446 v1(7.246,10.366)
  Bottom Layer w0.1: v1@7.246,10.466 CON1.6@7.246,11.186
DEBUG_TX: CON1.7 U12.18 | length 4.3
  Top Layer w0.1: U12.18@6.25,7.05 v1(6.25,7.45)
  Bottom Layer w0.1: v1(6.25,7.45) 6.25,9.45 6.746,9.946 CON1.7@6.746,11.186
DRDY8: U1.R8
DSM&SBUS_IN: CON1.56 R12.2 R17.2 | length 2.7
  Bottom Layer w0.125: CON1.56@-2.25,5.87 -2.25,5.35 -2.375,5.225 -2.375,4.285 -2.2,4.11 R17.2@-1.4,4.11
FMU_CAP1: U1.P4
FMU_CAP2: U1.A10 | length 0.7
  Top Layer w0.1: U1.A10@0.5,25.05 0.511,25.038 0.92,25.447 v1(1.068,25.447)
FMU_CAP3: U1.R13
FMU_CH1: U1.P11 U14.1 | length 18.6
  Top Layer w0.1: v1(-4.05,9.2) U14.1@-4.05,9.55 ; v1@0.85,16.3 U1.P11@1.15,16.6
  S1 w0.1: v1(-4.05,9.2) -3,9.2 -2.5,8.7 0.3,8.7 0.625,8.375 1.425,8.375 1.575,8.225 v2(1.575,7.55)
  S2 w0.1: v1(0.875,16.275) 1.45,15.7 2.592,15.7 3.087,15.204 3.087,11.885 2.889,11.687 2.539,11.687 1.75,10.898 1.75,7.725 v2(1.575,7.55)
FMU_CH1-PROT: CON1.54 U14.20 | length 2.6
  Top Layer w0.1: U14.20@-4.05,8.05 -4.05,7.05 -3.891,6.891 v1(-3.25,6.891)
  Bottom Layer w0.1: CON1.54@-3.25,6.07 v1@-3.25,6.791
FMU_CH2: U1.D15 U14.3 | length 39.7
  Top Layer w0.1: U1.D15@3.75,23.1 v1(4.05,22.8)
  S1 w0.1: v1(-5.05,10.1) -5.025,10.075 -5.025,6.95 -4.425,6.35 4.725,6.35 5.325,5.75 5.325,4.35 5,4.025 4.475,4.025 4.325,4.175 4.325,4.675 4.075,4.925 2.875,4.925 2.75,4.8 v2(2.225,4.8)
  S2 w0.1: v2(2.225,4.8) 2.277,4.8 2.587,5.11 2.587,6.637 2.15,7.075 2.15,10.732 2.704,11.287 3.055,11.287 3.487,11.719 3.487,15.437 3,15.925 3,17.127 3.224,17.352 3.224,17.797 3,18.022 3,18.525 3.1,18.625 3.1,20.648 3.137,20.686 3.137,21.64 4.05,22.552 v1(4.05,22.8)
FMU_CH2-PROT: CON1.53 U14.18 | length 3
  Top Layer w0.1: U14.18@-5.05,7.05 -5.05,6.65 v1(-3.75,5.35)
  Bottom Layer w0.1: v1(-3.75,5.35) CON1.53@-3.75,6.07
FMU_CH3: U1.P10 U14.4 | length 20.2
  Top Layer w0.1: v1(-5.55,10.1) U14.4@-5.55,10.55 ; v1@0.175,16.275 U1.P10@0.5,16.6
  S1 w0.1: v1(-5.55,10.1) -5.05,10.6 1.904,10.6 2.175,10.329 2.175,8.975 1.925,8.725 v2(1.2,8.725)
  S2 w0.1: v1(0.2,16.275) 0.337,16.138 0.337,16.015 0.487,15.865 0.487,15.46 0.481,15.454 0.481,15.195 0.612,15.064 0.612,14.785 0.481,14.654 0.481,12.249 0.662,12.068 0.662,10.512 0.412,10.262 0.412,9.694 0.61,9.496 1.2,9.496 1.217,9.479 1.223,9.479 1.42,9.282 1.42,9.002 1.223,8.804 1.2,8.804 v2(1.2,8.725)
FMU_CH3-PROT: CON1.52 U14.17 | length 3
  Top Layer w0.1: U14.17@-5.55,7.05 -5.55,6.65 v1(-4.25,5.35)
  Bottom Layer w0.1: v1(-4.25,5.35) CON1.52@-4.25,6.07
FMU_CH4: U1.P9 U14.5 | length 16.3
  Top Layer w0.1: v1(-6.05,10.1) U14.5@-6.05,10.55 ; v1(-0.475,16.85) -0.225,16.6 U1.P9@-0.15,16.6
  S1 w0.1: v2(-5.025,12.55) -5.025,12.775 -4.5,13.3 -2.283,13.3 -1.783,12.8 -0.166,12.8 0.634,13.6 1.089,13.6 1.768,14.278 1.768,14.815 1.523,15.06 0.805,15.06 0.477,15.388 -0.036,15.388 -0.225,15.577 -0.225,16.6 v1(-0.475,16.85)
  S2 w0.1: v1(-6.05,10.1) -6.05,10.9 -5.875,11.075 -5.4,11.075 -5.225,11.25 -5.225,12.35 v2(-5.025,12.55)
FMU_CH4-PROT: CON1.51 U14.16 | length 3
  Top Layer w0.1: U14.16@-6.05,7.05 -6.05,6.65 v1(-4.75,5.35)
  Bottom Layer w0.1: v1(-4.75,5.35) CON1.51@-4.75,6.07
FMU_CH5: U1.M15 U14.6 | length 38.1
  Top Layer w0.1: v1(-6.55,10.1) U14.6@-6.55,10.55 ; U1.M15@3.751,17.901 4.052,17.901 4.128,17.825 4.397,17.825 4.46,17.888 4.729,17.888 5.118,17.5 v1(5.575,17.5)
  S1 w0.1: v1(-6.55,10.1) -6.55,7.05 -5.65,6.15 4.407,6.15 4.975,5.582 4.975,5.195 5.125,5.045 5.125,4.755 4.82,4.45 v2(4.8,4.45)
  S2 w0.1: v2(4.8,4.45) 5.025,4.45 5.2,4.625 7.907,4.625 9,5.717 9,8.934 9.7,9.634 9.7,10.2 8.4,11.5 8.4,12.517 8.3,12.617 8.3,13.317 7.7,13.917 7.7,16.4 7.1,17 6.7,17 6.2,17.5 v1(5.575,17.5)
FMU_CH5-PROT: CON1.50 U14.15 | length 3.3
  Top Layer w0.1: U14.15@-6.55,7.05 -6.55,6.25 -6.3,6 -5.683,6 -5.25,5.567 v1@-5.25,5.35
  Bottom Layer w0.1: v1@-5.25,5.35 CON1.50@-5.25,6.07
  other v1: -5.25,5.4
FMU_CH6: U1.M14 U14.7 | length 37.6
  Top Layer w0.1: v1(-7.05,10.1) U14.7@-7.05,10.55 ; U1.M14@3.1,17.9 3.424,17.576 v1(4.6,17.576)
  S1 w0.1: v1(-7.05,10.1) -6.8,9.85 -6.8,7.017 -5.733,5.95 4.325,5.95 4.775,5.5 v2(4.775,4.9)
  S2 w0.1: v1(4.6,17.576) 5.075,17.1 6.2,17.1 6.5,16.8 7.017,16.8 7.5,16.317 7.5,13.834 8.1,13.234 8.1,12.534 8.2,12.434 8.2,12.183 8.2,11.417 9.5,10.117 9.5,9.717 8.8,9.017 8.8,5.8 7.825,4.825 4.85,4.825 v2(4.775,4.9)
FMU_CH6-PROT: CON1.49 U14.14 | length 4.1
  Top Layer w0.1: U14.14@-7.05,7.05 -7.05,6.15 -6.7,5.8 -5.9,5.8 -5.75,5.65 v1@-5.75,5
  Bottom Layer w0.1: v1@-5.75,5 CON1.49@-5.75,6.07
  other v1: -5.75,4.9
FMU_CH7: U1.M11
FMU_CH8: U1.M13
FMU_OSC32_IN: C21.1 U1.E1 X2.1 | length 4.1
  Top Layer w0.1: C21.1@-8.275,24.204 -6.905,24.204 -6.388,23.687 -6.388,23.645 -6.2,23.458 -6.2,22.8 -5.85,22.45 U1.E1@-5.35,22.45
FMU_OSC32_OUT: C20.1 U1.F1 X2.2 | length 3.3
  Top Layer w0.1: C20.1@-8.275,22.804 -6.555,22.804 -5.875,22.125 -5.675,22.125 U1.F1@-5.35,21.8
FMU_OSC_IN: C1.2 U1.G1 X1.3 | length 3.9
  Top Layer w0.15: X1.3@-8.975,21.5 -8.425,20.95 -5.55,20.95 U1.G1@-5.35,21.15
FMU_OSC_OUT: C2.2 U1.H1 X1.1 | length 2.8
  Top Layer w0.15: X1.1@-7.875,20.1 C2.2@-6.757,20.1 ; C2.2@-6.757,20.172 -6.265,20.664 -5.515,20.664 U1.H1@-5.35,20.5
FMU_PPM_INPUT: R11.1 U1.C4 | length 24.9
  Top Layer w0.1: U1.C4@-3.4,23.75 -3.126,23.475 v1(-3.126,23.451)
  S2 w0.1: v2(-13,10.575) -13,13.425 -12.4,14.025 -11.38,14.025 -11.1,14.305 -11.1,14.595 -11.25,14.745 -11.25,15.94 -10.963,16.227 -10.963,17.159 -11.3,17.497 -11.3,19.61 -9.585,21.325 -8.25,21.325 -7.963,21.612 -7.963,21.614 -7.765,21.812 -7.763,21.812 -7.4,22.175 -4.804,22.175 -4.542,22.437 -3.548,22.437 -3.32,22.665 -3.32,22.888 -3.126,23.082 v1(-3.126,23.451)
  Bottom Layer w0.1: R11.1@-14.535,8.2 -14.535,9.365 -14.3,9.6 -13.3,9.6 -13,9.9 v2(-13,10.575)
FMU_RESET: CON1.3 U5.3 | length 16
  Bottom Layer w0.15: CON1.3@8.746,11.186 8.746,10.428 8.95,10.225 13.625,10.225 13.9,10.5 13.9,11.4 13.5,11.8 13.5,18.9 13.2,19.2 U5.3@13.2,20.1